# KiCad board soldiercrab_panel.kicad_pcb (continued)
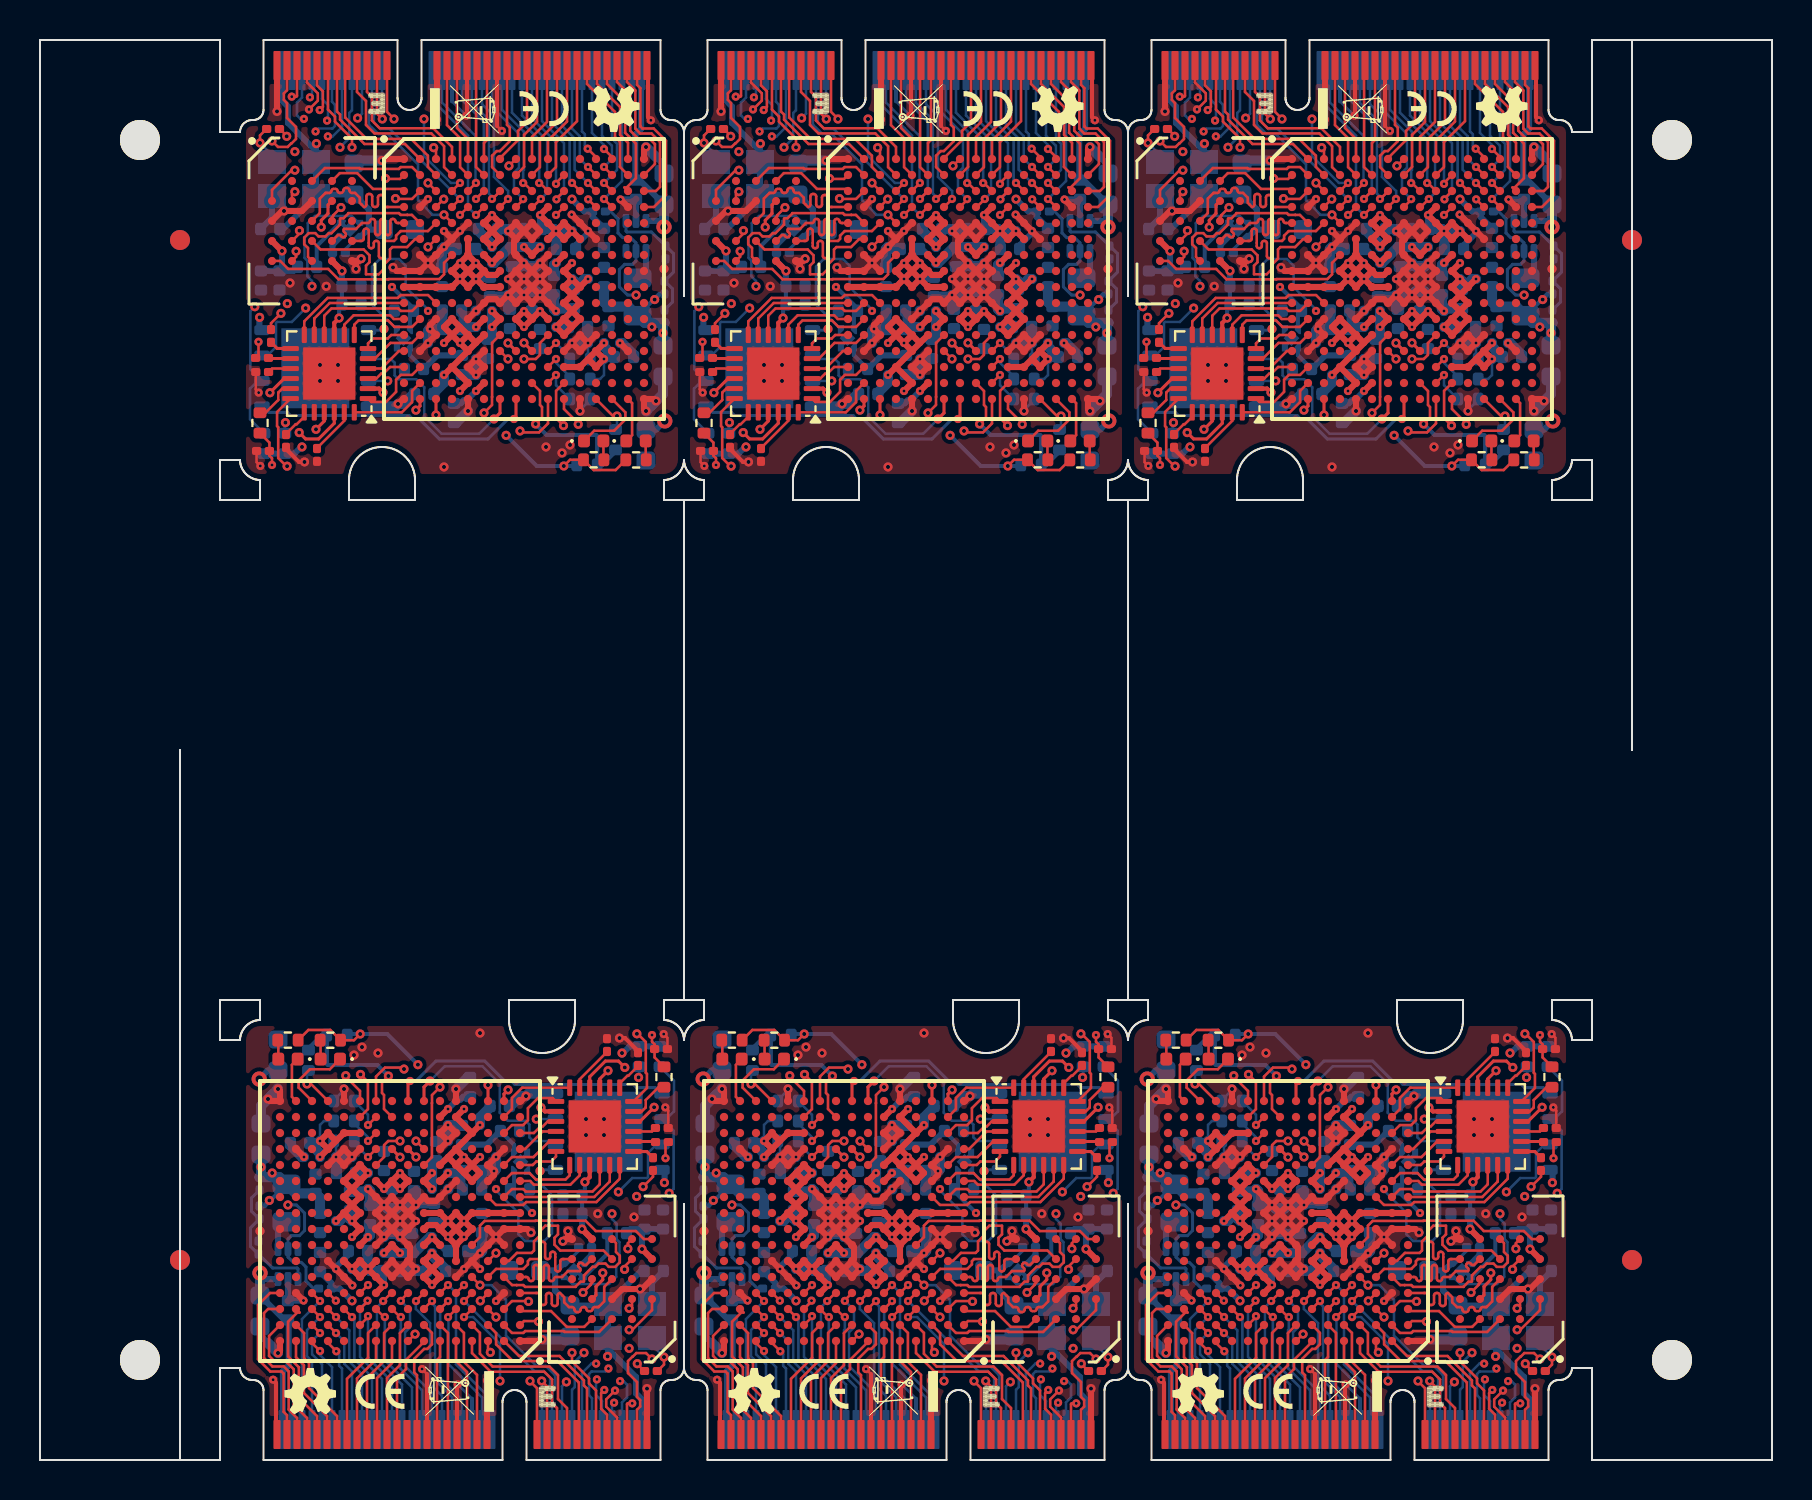
[diagram p0: board, top side]
## Routing (per net, layer and track width the routed paths; a pad name or vN(x,y) marks a point on that pad's centre or on a via; arc(x,y) is an arc through that point) (continued)
Board_3-ECP5_C5: length 6.9
  Top w0.127: v1(20.4,7.15) 20.8,7.54 IC1#5.C5 20.8,7.54
  Bottom w0.127: J1#6.34 22.1,3.12 21.05,4.18 21.05,4.18 20.43,4.8 20.43,7.12 v1(20.4,7.15)
Board_3-ECP5_C6: length 7.6
  Top w0.127: IC1#5.C6 20.01,7.55 20.4,7.94 v1(20.4,7.95) 20.4,7.95 20.41,7.95
  Bottom w0.127: 20.41,7.95 20.01,7.55 20.01,4.1 21.1,3.01 J1#6.38
Board_3-ECP5_C7: length 7.5
  Top w0.127: 19.54,7.9 19.2,7.57 IC1#5.C7
  Bottom w0.127: 19.54,7.9 19.49,7.95 v1(19.6,7.95) 19.6,7.84 19.75,7.68 19.75,3.99 20.6,3.15 J1#6.40
Board_3-ECP5_C9: length 6.7
  Top w0.127: v1(18.04,7.15) 18,7.15 IC1#5.C9
  Bottom w0.127: J1#6.46 19.1,3.49 18,4.59 18,6.49 18.04,6.54 v1(18.04,7.15)
Board_3-ECP5_C10: length 6.8
  Top w0.127: IC1#5.C10 17.2,7.15 v1(17.24,7.15)
  Bottom w0.127: J1#6.48 18.6,3.63 17.24,4.99 v1(17.24,7.15)
Board_3-ECP5_C11: length 7.6
  Top w0.127: v1(16.38,7.97) 16.38,7.93 IC1#5.C11
  Bottom w0.127: v1(16.38,7.97) 16,7.59 16,5.15 17.1,4.05 J1#6.54
Board_3-ECP5_C12: length 6.6
  Top w0.127: v1(15.6,7.15) 15.2,7.55 IC1#5.C12
  Bottom w0.127: v1(15.6,7.15) 15.72,7.03 15.72,5.03 16.6,4.15 J1#6.56
Board_3-ECP5_C13: length 6.7
  Top w0.127: IC1#5.C13 v1(14.8,7.15)
  Bottom w0.127: v1(14.8,7.15) 15.47,6.48 15.47,4.92 16.1,4.29 J1#6.58
Board_3-ECP5_C14: length 6.6
  Top w0.127: IC1#5.C14 14,7.15 v1(14,7.15)
  Bottom w0.127: v1(14,7.15) 13.35,6.5 13.35,5.18 13.6,4.93 J1#6.68
Board_3-ECP5_C15: length 7.2
  Top w0.127: IC1#5.C15 12.98,7.38 12.87,7.38 12.4,6.91 12.4,5.18 12.94,4.64 12.94,3.11 13.85,2.2 J1#6.67
Board_3-ECP5_C16: length 8
  Top w0.127: IC1#5.C16 11.4,7.55 11.2,7.35 11.2,5.1 11.62,4.68 12.19,4.68 12.43,4.43 12.43,2.52 12.85,2.1 J1#6.71
Board_3-ECP5_D4: length 9.3
  Top w0.127: IC1#5.D4 21.27,8.02 v1(21.2,7.95) 21.27,8
  Bottom w0.127: J1#6.22 25.1,3.35 25.5,3.75 25.5,4.12 25.18,4.45 24.71,4.45 21.21,7.95 v1(21.2,7.95)
Board_3-ECP5_D5: length 16.4
  Top w0.127: v1(21.2,8.75) 20.8,8.35 IC1#5.D5 20.8,8.36
  In1.Cu w0.127: v1(21.2,8.75) 21.6,8.35 21.6,5.45 22.08,4.96 22.69,4.96 22.86,5.13 26.24,5.13 26.43,4.95 27.37,4.95 28.03,5.6 28.55,5.6 29.4,4.75 29.4,3.56 v1(28.7,2.87)
  Bottom w0.127: v1(28.7,2.87) 28.6,2.76 J1#6.8
Board_3-ECP5_D6: length 8.7
  Top w0.127: IC1#5.D6 20.01,8.35 20.4,8.74 v1(20.4,8.75) 20.4,8.75 20.41,8.75
  Bottom w0.127: J1#6.32 22.6,2.98 21.15,4.43 21.15,4.43 20.8,4.78 20.8,8.36 20.41,8.75
Board_3-ECP5_D7: length 7.6
  Top w0.127: IC1#5.D7 19.19,8.35 18.8,7.96 v1(18.8,7.95) 18.79,7.95 18.79,7.95
  Bottom w0.127: J1#6.42 20.1,3.21 19.5,3.81 19.5,6.85 18.79,7.55 18.79,7.95
Board_3-ECP5_D8: length 7.8
  Top w0.127: v1(18.04,7.95) 18.04,7.99 IC1#5.D8
  Bottom w0.127: v1(18.04,7.95) 18.5,7.5 18.5,6.64 18.25,6.39 18.25,4.7 19.6,3.35 J1#6.44
Board_3-ECP5_D9: length 7.7
  Top w0.127: IC1#5.D9 17.56,8.35 v1(17.16,7.95)
  Bottom w0.127: J1#6.50 18.1,3.77 16.85,5.03 16.85,7.64 v1(17.16,7.95)
Board_3-ECP5_D11: length 19.1
  Top w0.127: IC1#5.D11 16,8.35 v1(16.4,8.75)
  In2.Cu w0.127: v1(28.42,4.57) 28.27,4.43 27.64,4.43 27.38,4.69 19.99,4.69 18.81,5.88 18.58,5.88 17.65,6.81 17.65,8.02 17.32,8.34 16.8,8.34 v1(16.4,8.75)
  Bottom w0.127: v1(28.42,4.57) 28.27,4.43 27.58,4.43 27.45,4.3 27.45,3.24 27.6,3.09 J1#6.12
Board_3-ECP5_D13: length 20.5
  Top w0.127: IC1#5.D13 14.41,8.35 v1(14.79,7.97) ; IC1#5.D13 14.4,8.35 ; IC1#5.D13 14.44,8.35
  In1.Cu w0.127: v1(27.81,4.82) 27.67,4.68 22.01,4.68 19.2,7.48 19.2,8.24 18.3,9.15 15.48,9.15 14.79,8.46 v1(14.79,7.97)
  Bottom w0.127: v1(27.81,4.82) 27.57,4.82 27.1,4.35 27.1,1.53 J1#6.14
Board_3-ECP5_D14: length 7.4
  Top w0.127: IC1#5.D14 v1(14,7.95)
  Bottom w0.127: J1#6.70 13.1,3.05 13.1,3.05 13.1,7.05 v1(14,7.95)
Board_3-ECP5_D16: length 8.8
  Top w0.127: IC1#5.D16 11.5,8.35 10.9,7.75 10.9,5.04 11.52,4.42 12.08,4.42 12.18,4.32 12.18,2.41 12.35,2.24 J1#6.73
Board_3-ECP5_E4: length 10
  Top w0.127: IC1#5.E4 21.6,9.14 v2(22,8.74)
  Bottom w0.127: J1#6.20 25.6,3.45 25.76,3.6 25.76,4.23 25.28,4.7 24.82,4.7 23.3,6.22 23.3,8.01 22.57,8.74 v2(22,8.74)
Board_3-ECP5_M10_TDO: length 20.8
  Top w0.127: v2(18,15.95) 17.41,15.95 17.2,15.75 17.2,15.15 IC1#5.M10 ; J1#6.23 24.85,3.59 24.5,3.94 v2(24.5,3.95)
  In4.Cu w0.127: v2(18,15.95) 18.5,16.45 19,16.45 23.5,11.95 23.5,4.95 v2(24.5,3.95)
Board_3-ECP5_R11_TDI: length 27.6
  Top w0.127: v2(16.02,19.28) 16.4,18.91 16.4,17.55 IC1#5.R11
  In4.Cu w0.127: v2(26.32,3.9) 26.32,4.13 25.02,5.43 24.43,5.43 24.01,5.85 24.01,14.4 23.5,14.9 23.5,16.45 22,17.95 17.36,17.95 v2(16.02,19.28)
  Bottom w0.127: v2(26.32,3.9) 26.1,3.69 J1#6.18
Board_3-ECP5_T10_TCK: length 28.3
  Top w0.127: v2(18.2,19.55) 18.13,19.62 17.25,19.62 16.8,19.17 IC1#5.T10
  In4.Cu w0.127: v1(27.85,4.03) 27.34,4.03 25.52,5.85 25.52,6.2 25.27,6.45 24.5,6.45 24.3,6.65 24.3,7.21 24.85,7.76 24.85,8.1 24.26,8.69 24.26,10.49 25,11.22 25,12.51 24.26,13.25 24.26,14.5 23.75,15.01 23.75,16.56 20.94,19.37 19.33,19.37 19.3,19.35 18.4,19.35 v2(18.2,19.55)
  Bottom w0.127: J1#6.10 28.1,2.95 27.8,3.25 27.8,3.98 v1(27.85,4.03)
Board_3-ECP5_T11_TMS: length 26.7
  Top w0.127: IC1#5.T11 16,18.45 15.29,19.16 v2(15.29,19.22) ; v2(25.08,3.95) 25.35,3.68 J1#6.21
  In4.Cu w0.127: v2(15.29,19.22) 15.29,19.16 16.76,17.69 19.69,17.69 20.24,17.15 22.45,17.15 23.25,16.34 23.25,14.73 23.75,14.23 23.75,5.28 24.67,4.37 24.67,4.37 25.08,3.96 v2(25.08,3.95)
Board_3-EN: length 45.1
  In2.Cu w0.127: v2(28.6,12.32) 27.97,12.95 23.4,12.95 v1(22.8,13.55)
  In2.Cu w0.152: v2(12.4,12.75) 12.4,14.92 14.63,17.16 18.2,17.16 19,17.96 21.59,17.96 23.21,16.34 23.21,13.96 v1(22.8,13.55)
  Bottom w0.127: U2#2.3 25.6,13.23 25.6,11.34 25.21,10.95 24.26,10.95 23.92,11.29 23.92,12.36 22.8,13.48 v1(22.8,13.55) ; U4#4.3 26.62,8.8 28.45,8.8 28.81,9.16 28.81,9.7 28.97,9.87 28.97,10.89 28.83,11.03 28.83,11.81 28.6,12.05 v2(28.6,12.32)
  Bottom w0.152: v2(12.4,12.75) 12.82,12.75 13.23,12.35 13.23,11.47 12.97,11.22 12.57,11.22 12.4,11.05 U1#5.5 12.4,10.15 12.67,9.88 13.07,9.88 13.3,9.65 13.3,8.95 13.68,8.57 R1#4.1
Board_3-GND: length 114.2
  Top w0.127: v1(28.75,3.47) 28.31,3.03 28.31,2.67 28.85,2.13 J1#6.7 ; v1(20.88,3.78) 20.85,3.75 ; C37#3.2 31.37,21.11 v1(31.18,21.3) ; 11.8,1.33 J1#6.75 ; v1(31.27,17.63) 31.41,17.48 C36.2 ; v1(11.66,4.01) 11.8,3.87 ; 19.35,4.3 v1(19.1,4.55)
  Top w0.203: v2(28.98,21.1) 29.25,21.1 29.82,20.52 29.82,20.37 ; 20.85,3.75 J1#6.39 ; 11.8,3.87 11.8,1.33 ; J1#6.45 19.35,4.3
  Top w0.305: IC1#5.F13 v1(14.8,9.55) IC1#5.E12 15.62,8.73 v1(15.62,8.73) ; v1(18,12.75) IC1#5.J8 ; v1(18,12.75) IC1#5.K8 v1(18.8,12.75) ; v1(18,12.75) IC1#5.J9 ; v1(18,12.75) IC1#5.K9 v1(17.2,12.75) ; IC1#5.J8 v1(18,11.95) ; IC1#5.J8 v1(18.8,12.75) ; IC1#5.J8 v1(18.8,11.95) IC1#5.H8 ; v1(15.6,15.15) IC1#5.N12 v1(14.8,15.15) ; v1(15.6,15.15) IC1#5.N11 ; v1(15.6,15.15) IC1#5.M12 v1(14.8,15.15) ; IC1#5.D15 13.18,7.98 v1(13.18,7.97) ; IC1#5.G2 v1(22.8,11.15) ; v1(22.8,11.15) IC1#5.H3 ; v1(22.8,11.15) IC1#5.H2 IC1#5.H1 24.37,11.55 v2(24.55,11.37) ; v1(22.8,11.15) IC1#5.G3 v1(22,10.35) IC1#5.F4 ; IC1#5.N6 v1(20.4,15.95) ; v1(20.4,15.95) IC1#5.P5 v1(20.4,16.75) IC1#5.P6 v1(20.4,15.95) ; IC1#5.T12 v2(15.2,18.55) ; v1(18.8,12.75) IC1#5.K7 19.4,12.95 19.8,12.95 IC1#5.K6 v1(20.4,13.55) IC1#5.L5 ; IC1#5.H8 v1(18,11.15) ; IC1#5.H8 v1(18,11.95) ; IC1#5.N2 v1(22.8,15.15) IC1#5.M3 v1(22.7,14.45) 22.7,14.25 IC1#5.L3 ; IC1#5.T5 v2(20.8,18.55) ; IC1#5.F8 18.5,10.05 18.5,10.65 IC1#5.G8 v1(18,11.15) ; IC1#5.F8 IC1#5.E9 17.2,9.55 IC1#5.F9 IC1#5.E8 v1(18.8,9.55) IC1#5.F8 ; IC1#5.E5 v1(21.2,9.55) IC1#5.F4 ; IC1#5.A1 25.02,5.95 v2(25.1,6.03) ; IC1#5.N15 v1(13.2,15.15) ; IC1#5.D2 v1(22.8,7.95) ; IC1#5.G10 v1(17.2,11.15) ; v1(17.2,11.15) IC1#5.H10 v1(17.2,11.95) ; v1(17.2,11.15) IC1#5.H9 ; IC1#5.F4 v1(22,9.55) ; v2(30.35,3.57) J1#6.1 ; v1(14.8,15.15) IC1#5.M13 ; v1(17.2,12.75) IC1#5.K10 v1(16.4,13.55) ; v1(17.2,12.75) IC1#5.J10 v1(17.2,11.95) ; v1(17.2,12.75) IC1#5.J9 ; v2(26.15,10.94) 26.26,11.05 U10#3.E5 26.4,11.25 v2(26.4,11.45) ; v1(18,11.15) IC1#5.H9 ; v1(18,11.95) IC1#5.H9 ; v1(18,11.95) IC1#5.J9 ; IC1#5.H9 v1(17.2,11.95) ; IC1#5.J9 v1(17.2,11.95) ; U10#3.C1 30.1,8.55 v2(30,8.55) 29.1,8.55 U10#3.B3 ; IC1#5.T1 24.05,17.95 v2(24.3,18.2) ; v2(11.9,18.55) 12,18.45 IC1#5.T16 11.5,17.95 v2(11.4,18.05) ; IC1#5.A16 12,5.45 v2(11.9,5.35) ; J1#6.33 v1(22.35,3.97)
  In2.Cu w0.127: v2(28.98,21.1) 29.31,20.77 30.82,20.77 31.18,21.13 v1(31.18,21.3)
  Bottom w0.127: U2#2.2 24.03,15.01 U2#2.2 ; v2(15.2,18.55) 15.2,18.5 14.69,18 R14#3.2 ; 22.84,14.91 22.8,14.95 ; v1(14.8,15.15) 14.8,15.84 R12#2.2 ; R3#3.2 10.93,11.37 v2(11,11.45) ; v1(20.88,3.78) 21.6,3.07
  Bottom w0.203: 21.6,3.07 J1#6.36 ; C65#4.2 28.36,10.31 27.2,9.15 U4#4.2 26.81,9.47 U4#4.2
  Bottom w0.305: C2#3.2 11,6.25 11.4,5.85 ; C10#4.2 30.6,8.88 Y1#4.2 30,8.4 v2(30,8.55) ; U1#5.2 12.4,7.97 v1(13.18,7.97) ; C79#2.2 15.42,10.27 14.8,9.65 v1(14.8,9.55) 14.8,9.55 v1(15.62,8.73)
  Bottom w0.508: v2(11.4,18.05) 11.63,18.28 ; 11.63,18.28 11.05,17.7 C3#4.2 ; 11.63,18.28 v2(11.9,18.55) 11.88,18.58 ; C24#3.2 16.5,13.45 v1(16.4,13.55) 16.28,13.43 C16#3.2 ; v1(22.8,15.15) 22.8,14.55 v1(22.7,14.45) C33#2.2 C12#2.2 ; C83.2 22.1,10.45 v1(22,10.35) 21.9,10.45 C15#5.2 ; v1(15.6,15.15) v1(14.8,15.15) 14.82,15.13 C8.2 ; 20.42,13.53 v1(20.4,13.55) ; C22.2 21.08,16.75 v1(20.4,16.75) v1(20.4,15.95) 19.82,15.95 C26.2 ; 25.9,18.32 24.42,18.32 v2(24.3,18.2) 24.03,18.2 23.48,17.65 ; C9#5.2 18.18,11.33 v1(18,11.15) 17.82,11.33 C13#6.2 17.38,11.33 v1(17.2,11.15) ; v1(18.8,12.75) v1(18,12.75) 17.82,12.57 C17#3.2 17.38,12.57 v1(17.2,12.75) 16.78,12.75 ; v1(18.8,12.75) 18.88,12.83 C19#4.2 ; v1(18.8,12.75) 18.8,13.47 ; v2(20.8,18.55) 21.38,19.13 C81.2 ; C4#5.2 26.35,6.03 v2(25.1,6.03) ; C80.2 12.52,15.73 13.1,15.15 v1(13.2,15.15) ; C14#2.2 18.7,9.45 v1(18.8,9.55) 18.9,9.45 C18.2 ; v2(11.9,5.35) 11.4,5.85
  vias: v2(15.7,20.25) v2(16.1,20.65) v2(16.9,20.35) v2(22,21.35) v2(27.3,17.05) v2(27.3,16.25) v2(27.89,12.32) v2(28.2,17.05) v2(28.2,16.25) v2(29.7,12.15)
Board_3-Net-(D1-A): length 1
  Top w0.127: R11#6.1 11.92,20.97 D1#4.2
Board_3-Net-(D1-K): length 2.3
  Top w0.127: D1#4.1 12.6,19.76 12.6,18.15 IC1#5.T15
Board_3-Net-(D2-A): length 1
  Top w0.127: D2#5.2 14.03,20.97 R15#6.1
Board_3-Net-(D2-K): length 3.8
  Top w0.127: IC1#5.T14 12.93,18.62 12.93,18.97 13.49,19.54 14.49,19.54 D2#5.1
Board_3-Net-(U1-FB): length 6.7
  Bottom w0.152: U1#5.1 12.9,9.55 12.85,9.6 11.63,9.6 R3#3.1 10.9,10.3 10.52,10.68 10.52,11.6 C25#3.1 10.95,12.06 10.57,12.44 10.57,13.1 R2.1
Board_3-Net-(U1-SW): length 1.5
  Bottom w0.305: U1#5.4 11.9,11.48 L1#4.1
Board_3-Net-(U3-DM): length 1.1
  Top w0.152: 30.78,15.93 29.68,15.93 U3#4.14
Board_3-Net-(U3-DP): length 1.1
  Top w0.152: U3#4.13 29.68,15.42 30.35,15.42 R10#5.2
Board_3-Net-(U3-RBIAS): length 1.5
  Top w0.127: 29.82,19.73 29.82,19.62 29.41,19.21 29.36,19.21 28.99,18.83 U3#4.19
Board_3-Net-(U3-VBUS): length 2.2
  Top w0.127: R8#6.1 30.93,18.64 30.29,18 30.29,17.63 30.09,17.43 U3#4.17
Board_3-Net-(Y1-OUT): length 2.1
  Top w0.127: v2(31.2,5.15) 31.2,4.77 30.87,4.44
  Bottom w0.127: v2(31.2,5.15) 30.6,5.75 Y1#4.3
Board_3-USB0_DM: length 16.8
  Top w0.127: J1#6.5 29.35,2.8 29.38,2.83 v1(29.61,2.83) ; v1(31.28,15.09) 31.28,15.75 31.42,15.9 31.42,15.93
  In2.Cu w0.127: v1(31.28,15.09) 30.7,14.51 30.7,13.48 31.19,12.99 31.19,5.94 31.18,5.93 31.18,5.76 31.62,5.32 31.62,4.97 30.89,4.25 30.3,4.25 29.61,3.56 v1(29.61,2.83)
Board_3-USB0_DP: length 15.7
  Top w0.127: 30.75,14.48 R10#5.1 30.65,14.16 v2(30.15,13.67) ; J1#6.3 29.85,2.51 30.01,2.67 30.01,3 29.85,3.15 29.85,3.9 29.4,4.35 29.4,4.95 29.62,5.16 29.63,5.16 29.81,5.35 30.3,5.35 v2(30.6,5.05)
  In2.Cu w0.127: v2(30.6,5.05) 30.6,5.71 30.93,6.05 30.93,12.89 v2(30.15,13.67)
Board_3-USB0_ID: length 28.8
  Top w0.127: v2(29.84,21.31) 29.88,21.31 30.29,20.9 30.29,19.36 30.35,19.3 30.35,18.6 U3#4.18
  In4.Cu w0.127: v2(29.84,21.31) 29.94,21.31 30.53,20.72 30.53,18.06 30.29,17.81 30.29,15.69 30.8,15.17 30.8,11.48 31.64,10.65 31.64,6.38 31.25,6 27.83,6 v2(27.2,5.37)
  Bottom w0.127: J1#6.16 26.6,3.51 26.74,3.65 26.74,4.9 v2(27.2,5.37)
Board_3-USB0_VBUS: length 24.5
  Top w0.127: v1(28.21,3.5) 28.06,3.35 28.06,2.56 28.35,2.27 J1#6.9 ; v1(30.6,21.25) 30.6,20.91 30.73,20.78 30.73,20.13 R8#6.2
  In1.Cu w0.127: v1(30.6,21.25) 30.6,20.8 30.3,20.5 30.3,19.71 30.6,19.41 30.6,18.85 30.29,18.54 30.29,14.77 29.66,14.15 29.66,13.35 v2(29.83,13.18)
  In2.Cu w0.127: v2(29.46,5.58) 30.11,5.58 30.68,6.15 30.68,12.33 v2(29.83,13.18)
  In4.Cu w0.127: v1(28.21,3.5) 28.52,3.81 28.52,4.02 29.46,4.96 v2(29.46,5.58)
Board_3-VCCRAM: length 38.3
  Top w0.152: U10#3.B4 27.8,8.25 27.8,8.68 28.14,9.02 v2(28.14,9.36)
  Top w0.203: v2(25.05,17.62) 25.24,17.43 U3#4.2 ; U3#4.9 27.49,14.14 v2(27.25,13.9)
  Top w0.305: IC1#5.P4 v1(22,16.75) ; IC1#5.P4 IC1#5.R5 v1(21.2,17.55) ; IC1#5.P4 IC1#5.N5 ; 20.4,11.95 IC1#5.J5 21.2,11.95 ; 20.4,11.95 IC1#5.H5 ; 20.4,11.95 v1(20.4,11.95) ; U10#3.E4 v2(27.1,11.55) ; IC1#5.G5 21.2,11.15 v1(21.2,11.15) 21.2,11.15 ; IC1#5.G5 20.4,11.15 v1(20.4,11.15) 20.4,11.15 ; IC1#5.G5 IC1#5.F5 ; IC1#5.J7 IC1#5.J6 20,12.35 v1(20.4,11.95) ; IC1#5.H6 20.4,11.15 ; IC1#5.H6 20.4,11.95 v1(20.4,11.95) ; IC1#5.H6 19.8,11.75 19.4,11.75 IC1#5.H7 ; 20.4,11.15 IC1#5.H5 ; IC1#5.M5 20.4,15.15 ; IC1#5.M5 21.2,14.35 ; IC1#5.M5 v1(21.2,15.15) ; 20.4,15.15 IC1#5.N5 ; 20.4,15.15 IC1#5.M6 ; IC1#5.H5 21.2,11.95 v1(21.2,11.95) 21.2,11.95 ; IC1#5.H5 21.2,11.15 ; IC1#5.J1 IC1#5.J2 IC1#5.J3 IC1#5.J4 21.2,11.95 ; IC1#5.N5 v1(21.2,15.15) ; IC1#5.M4 22,14.35 IC1#5.L4 21.2,14.35 ; IC1#5.M4 v1(21.2,15.15) ; IC1#5.M4 v1(22,15.15) ; IC1#5.M4 21.2,14.35 ; 21.2,11.15 IC1#5.H4 21.2,11.95 ; U10#3.D1 v2(30.1,10.55)
  Bottom w0.203: C32#2.1 C5#3.1 27.25,13.37 v2(27.25,13.9)
  Bottom w0.305: C65#4.1 29.52,11.54 C31.1 ; 27.16,9.82 27.58,10.24 R16#2.1 27.58,11.07 v2(27.1,11.55) 27.11,11.55 C32#2.1 27.13,12.27 ; C31.1 30.1,11.42 v2(30.1,10.55) ; C31.1 31.15,11.54 31.1,11.49 ; C83.1 21.72,12.33 21.7,12.35 21.6,12.35 v1(21.2,11.95) ; v1(20.4,11.95) 19.78,11.95 C19#4.1
  Bottom w0.508: v1(22,16.75) 22,17.13 22.52,17.65
Board_4-+1V1: length 19.4
  Top w0.305: v1(40.2,10.35) IC1#6.G9 v1(39.4,10.35) ; IC1#6.L10 v1(39.4,13.55) IC1#6.L9 ; IC1#6.L9 v1(40.2,14.35) IC1#6.L8 v1(40.2,13.55) IC1#6.L9 ; IC1#6.G7 v1(41.8,11.15) IC1#6.G6
  Bottom w0.203: v2(33.67,12.98) 33.39,12.7 C25.2 33.44,12.7 L1#2.2 34.37,13.78 v2(33.81,14.35)
  Bottom w0.305: v1(41.8,11.15) 42.5,10.45 C15#4.1 ; v3(33.16,19.05) 33.59,19.47 C1#3.1
  Bottom w0.508: 33.25,15.28 v2(33.25,14.65) 33.25,14.22 R2#2.2 34.17,14.14 L1#2.2 34.98,13.33 35.98,13.33 36.2,13.1 36.2,12.33 ; v1(39.4,10.35) 39.78,10.35 C13#2.1 39.82,10.35 v1(40.2,10.35) 40.78,10.35 C9.1 40.92,10.37 41.7,11.15 v1(41.8,11.15)
Board_4-+2V5: length 16.9
  Top w0.305: v1(41.8,14.35) IC1#6.L7 v1(41.8,13.55) ; IC1#6.G11 v1(38.6,11.15)
  In3.Cu w0.305: v1(41.8,14.35) 41.8,11.84 41.32,11.35 41.32,10.78 40.4,9.87 39.2,9.87 38.6,10.46 v1(38.6,11.15)
  Bottom w0.203: 45.22,16.45 45.9,15.76 U2#6.1
  Bottom w0.305: C26#6.1 42.43,14.97 43.23,15.77 C22#2.1 44.54,15.77 45.22,16.45
  Bottom w0.508: C26#6.1 41.8,14.77 v1(41.8,14.35) v1(41.8,13.55) ; C24.1 38.7,11.25 v1(38.6,11.15)
Board_4-+3V3: length 82.7
  Top w0.127: v2(38.21,21.3) 37.9,20.99 R15#3.2 36.72,21.5 35.62,21.5 R11.2
  Top w0.152: v2(52.91,17.64) 52.2,16.93 U3#3.16
  Top w0.305: IC1#6.D10 v1(39.4,8.75) IC1#6.E10 v1(38.6,9.55) ; IC1#6.L11 IC1#6.K12 IC1#6.J11 v1(37.8,11.95) ; IC1#6.L11 v1(38.6,14.35) IC1#6.M11 37.8,14.35 ; IC1#6.L11 37.8,14.35 ; IC1#6.N13 37,15.95 ; IC1#6.N13 v1(36.2,15.95) IC1#6.P13 37,15.95 ; IC1#6.N13 v1(36.2,15.15) ; 37,15.95 IC1#6.P12 IC1#6.P11 ; IC1#6.F12 v1(37.8,9.55) ; v1(37.8,9.55) IC1#6.E11 v1(38.6,9.55) ; v1(37.8,9.55) IC1#6.F11 v1(38.6,9.55) ; v1(37.8,11.15) IC1#6.H11 v1(37.8,11.95) ; 37.8,14.35 IC1#6.L12 IC1#6.K11 IC1#6.J12 ; v1(38.6,9.55) IC1#6.F10 ; IC1#6.J12 v1(37,11.95) ; IC1#6.J12 v1(37.8,11.95) ; IC1#6.R6 v1(42.6,17.55) ; 41.5,10.05 v1(41.8,10.35) IC1#6.F6 IC1#6.E7 v1(41.8,8.75) IC1#6.E6 41.5,9.85 41.5,10.05 ; 41.5,10.05 IC1#6.F7 ; IC1#6.L6 v1(42.6,14.35)
  Bottom w0.127: R13#4.2 36.4,16.95 36.2,16.75 v1(36.2,15.95)
  Bottom w0.152: R16#3.2 49.14,10.46 U4#2.4
  Bottom w0.203: R6#3.1 37.61,21.3 v2(38.21,21.3) 39.56,21.3 v2(41.09,19.77) ; v1(46.8,12.35) 45.72,13.43 45.72,13.53 45.9,13.72 U2#6.4
  Bottom w0.305: 43.4,14.53 C33#6.1 C12#5.1 ; 52.3,9.56 C10.1 52.25,9.45 Y1#3.1 ; Y1#3.1 50.53,7.72 48.7,7.72 47.96,8.47 47.96,9.42 ; Y1#3.1 Y1#3.4 ; Y1#3.1 50.6,7.83 ; v2(50.58,5.18) 50.6,5.2 Y1#3.4 ; v2(53.42,13.87) 53.43,13.88 53.43,14.51 ; v2(51.3,20.35) 51.35,20.35 51.68,20.68 R110.1 R109#3.1 ; C23#3.1 47.9,9.48 47.96,9.42 ; v3(33.2,9.35) 33.5,9.05 U1#2.3 ; Y1#3.4 50.6,5.57 ; Y1#3.4 50.6,5.55 52,4.15 52,3.33 52.3,3.03 J1#5.2 ; C18#3.1 42.48,9.43 v1(41.8,8.75) ; 48.44,9.82 48.36,9.82 47.96,9.42 ; C35#2.1 36.77,8.85 R1.2 37.19,8.57 v2(37.8,7.96) ; v1(42.6,17.55) 43.07,18.02 43.22,18.02 43.37,18.17 C81#6.1 ; 33.2,8.22 34.63,6.79 34.63,4.73 34.34,4.44 34.34,1.57 J1#5.74 ; v1(39.4,8.75) 39.4,9.37 C14#5.1
  Bottom w0.508: C14#5.1 38.7,9.45 v1(38.6,9.55) ; C8#5.1 v1(38.6,14.35) ; v1(38.6,9.55) 38.58,9.57 C79.1 ; v1(38.6,9.55) v1(37.8,9.55) ; C18#3.1 42.48,9.54 41.8,10.22 v1(41.8,10.35) ; v1(36.2,15.15) 36.2,15.33 C80#6.1 36.1,15.85 v1(36.2,15.95) ; 33.2,8.45 v3(33.2,9.35) ; v1(42.6,14.35) 43.22,14.35 C33#6.1 ; v1(37.8,11.95) 37.7,12.05 C16#2.1 37.18,11.95 v1(37,11.95)
Board_4-/bank0_1/CLOCK_48MHZ: length 13.4
  Top w0.127: v2(40.95,6.29) 40.61,5.95 IC1#6.A8 ; v2(52.06,4.82) 52.06,4.8 52.43,4.44
  In2.Cu w0.127: v2(40.95,6.29) 42.3,4.95 49.57,4.95 50.31,5.69 50.67,5.69 50.92,5.44 50.92,5.43 51.18,5.16 51.72,5.16 v2(52.06,4.82)
Board_4-/bank2_3/~{FPGA_SELF_PROGRAM}: length 2.1
  Top w0.127: IC1#6.T13 35.75,18.8 v2(35.55,18.8) 35.55,18.85
  Bottom w0.127: 35.55,19.49 v2(35.55,18.8)
Board_4-/bank6_7/RAM.CK: length 12.5
  Top w0.127: v2(51.66,7.58) 51.8,7.73 U10.B2 ; IC1#6.C3 44.6,7.55 v2(45,7.15)
  In2.Cu w0.127: v2(51.66,7.58) 51.66,7.1 51,6.45 48.93,6.45 48.79,6.31 arc(48.62,6.24) 48.45,6.31 48.38,6.38 arc(48.21,6.45) 48.04,6.38 47.96,6.3 arc(47.89,6.13) 47.96,5.96 48.03,5.89 arc(48.1,5.72) 48.03,5.55 47.1,5.55 arc(46.87,5.64) 46.78,5.87 46.78,6.23 arc(46.69,6.45) 46.46,6.55 46.3,6.55 arc(46.07,6.45) 45.98,6.23 45.98,5.87 arc(45.89,5.64) 45.66,5.55 44.8,6.41 44.8,6.95 v2(45,7.15)
Board_4-/bank6_7/RAM.DQ0: length 8
  Top w0.127: IC1#6.F2 45.64,9.95 46.05,10.35 46.78,10.35 46.9,10.47 46.9,10.93 47.17,11.2 47.17,11.42 47.47,11.71 48.1,11.71 48.1,11.28 47.93,11.11 47.93,10.76 48.22,10.47 50.38,10.47 U10.D3
Board_4-/bank6_7/RAM.DQ1: length 7.2
  Top w0.127: v2(51.43,9.53) 51.43,9.68 U10.D2 ; v2(47.13,6.92) 47.1,6.95 46.4,6.95 IC1#6.B1
  In2.Cu w0.127: v2(51.43,9.53) 51.43,9.28 49.08,6.92 v2(47.13,6.92)
Board_4-/bank6_7/RAM.DQ2: length 6.8
  Top w0.127: IC1#6.C2 45.8,7.95 46.61,7.95 v2(46.63,7.93) ; U10.C4 49.8,8.85 49.73,8.79 49.73,8.76 v2(49.35,8.38)
  In2.Cu w0.127: v2(49.35,8.38) 49.23,8.5 48.7,8.5 arc(48.56,8.44) 48.51,8.31 48.51,7.76 arc(48.45,7.62) 48.32,7.57 48.22,7.57 arc(48.08,7.62) 48.03,7.76 48.03,8.31 arc(47.97,8.44) 47.84,8.5 47.19,8.5 v2(46.63,7.93)
Board_4-/bank6_7/RAM.DQ3: length 7.5
  Top w0.127: U10.D4 49.52,9.77 arc(49.45,9.74) 49.38,9.77 49.31,9.84 arc(49.24,9.87) 49.17,9.84 49.13,9.8 arc(49.1,9.73) 49.13,9.66 49.2,9.59 arc(49.23,9.52) 49.2,9.45 48.6,9.45 48.3,9.15 48,9.15 arc(47.93,9.12) 47.9,9.05 arc(47.87,8.98) 47.8,8.95 47.75,8.95 arc(47.68,8.98) 47.65,9.05 47.65,9.65 arc(47.62,9.72) 47.54,9.75 47.49,9.75 arc(47.42,9.72) 47.39,9.65 47.39,9.05 arc(47.36,8.98) 47.29,8.95 47.24,8.95 arc(47.17,8.98) 47.14,9.05 47.14,9.65 arc(47.11,9.72) 47.04,9.75 46.99,9.75 arc(46.91,9.72) 46.88,9.65 46.88,9.05 arc(46.85,8.98) 46.78,8.95 46.73,8.95 arc(46.66,8.98) 46.63,9.05 arc(46.6,9.12) 46.53,9.15 IC1#6.E1
Board_4-/bank6_7/RAM.DQ4: length 7.9
  Top w0.127: IC1#6.E3 45,9.55 46.36,9.55 46.6,9.79 46.6,9.94 46.7,10.05 47.1,10.05 arc(47.17,10.08) 47.2,10.15 47.2,10.81 arc(47.23,10.88) 47.3,10.91 47.35,10.91 arc(47.43,10.88) 47.46,10.81 47.46,10.15 arc(47.49,10.08) 47.56,10.05 47.61,10.05 arc(47.68,10.08) 47.71,10.15 47.71,10.31 arc(47.74,10.38) 47.81,10.41 47.86,10.41 arc(47.93,10.38) 47.96,10.31 47.96,9.54 arc(47.99,9.47) 48.07,9.44 48.12,9.44 arc(48.19,9.47) 48.22,9.54 48.22,9.95 arc(48.25,10.02) 48.32,10.05 U10.D5
Board_4-/bank6_7/RAM.DQ5: length 8.1
  Top w0.127: IC1#6.E2 45.8,8.75 46.03,8.75 46.04,8.75 46.36,8.75 46.45,8.66 48.98,8.66 48.98,8.67 49.23,8.92 49.37,8.92 49.4,8.95 49.4,9.23 49.83,9.66 49.96,9.66 50.13,9.82 50.47,9.82 50.64,9.66 50.96,9.66 51.19,9.89 51.19,10.21 51,10.4 51,10.85 U10.E3
Board_4-/bank6_7/RAM.DQ6: length 7.8
  Top w0.127: U10.E2 51.59,10.84 v2(51.59,10.56) ; IC1#6.F3 44.6,9.95 v2(45,10.35)
  In2.Cu w0.127: v2(45,10.35) 51.38,10.35 v2(51.59,10.56)
Board_4-/bank6_7/RAM.DQ7: length 10.2
  Top w0.127: U10.E1 52.39,11.05 51.99,11.45 49.99,11.45 49.47,11.97 46.98,11.97 46.96,11.95 44.44,11.95 44.2,11.71 44.2,11.15 IC1#6.G4
Board_4-/bank6_7/RAM.RWDS: length 8.7
  Top w0.127: IC1#6.D1 47.1,8.35 arc(47.18,8.32) 47.21,8.23 47.21,7.87 arc(47.25,7.78) 47.33,7.75 47.39,7.75 arc(47.47,7.78) 47.5,7.87 47.5,8.23 arc(47.54,8.32) 47.62,8.35 47.68,8.35 arc(47.76,8.32) 47.79,8.23 47.79,7.82 arc(47.83,7.73) 47.91,7.7 47.97,7.7 arc(48.05,7.73) 48.08,7.82 48.08,8.23 arc(48.12,8.32) 48.2,8.35 48.41,8.14 48.41,7.89 48.65,7.65 48.8,7.65 arc(48.89,7.61) 48.92,7.52 48.92,7.52 arc(48.96,7.43) 49.05,7.4 49.11,7.4 arc(49.2,7.43) 49.23,7.52 49.23,7.52 arc(49.27,7.61) 49.36,7.65 49.42,7.65 arc(49.49,7.62) 49.52,7.55 arc(49.55,7.48) 49.62,7.45 49.73,7.45 arc(49.8,7.48) 49.83,7.55 arc(49.86,7.62) 49.93,7.65 50.13,7.65 50.41,7.93 50.41,8.66 U10.C3
Board_4-/bank6_7/RAM.~{CK}: length 12.5
  Top w0.127: IC1#6.D3 44.6,8.34 v2(44.21,7.96) ; v2(51.66,6.51) 51.82,6.51 52.8,7.49 U10.B1
  In2.Cu w0.127: v2(51.66,6.51) 51.34,6.19 49.05,6.19 48.64,5.79 48.63,5.79 48.13,5.29 45.55,5.29 44.5,6.35 44.5,7.67 v2(44.21,7.96)
Board_4-/bank6_7/RAM.~{CS}: length 5.9
  Top w0.127: IC1#6.B2 45.8,6.35 46.36,6.35 46.46,6.45 48.39,6.45 48.44,6.4 50.16,6.4 U10.A3
Board_4-/bank6_7/RAM.~{RESET}: length 4.1
  Top w0.127: IC1#6.C1 46.3,7.45 47.75,7.45 48.54,6.66 49.41,6.66 U10.A4
Board_4-/bank6_7/USB0.DATA0: length 2.2
  Top w0.127: IC1#6.N1 46.45,15.55 47.33,16.43 U3#3.4
Board_4-/bank6_7/USB0.DATA1: length 3.1
  Top w0.127: U3#3.5 47.66,15.93 46.88,15.15 45.8,15.15 IC1#6.M2
Board_4-/bank6_7/USB0.DATA2: length 2.2
  Top w0.127: IC1#6.M1 46.84,14.75 47.01,14.92 47.75,14.92 48,15.17 U3#3.6
Board_4-/bank6_7/USB0.DATA3: length 4.2
  Top w0.127: U3#3.7 48.69,14.23 48.48,14.02 47,14.02 46.67,14.35 45.8,14.35 IC1#6.L2
Board_4-/bank6_7/USB0.DATA4: length 3.8
  Top w0.127: U3#3.8 49.19,14.23 48.72,13.77 46.89,13.77 46.71,13.95 IC1#6.L1
Board_4-/bank6_7/USB0.DATA5: length 6.1
  Top w0.127: U3#3.10 50.19,13.78 49.83,13.42 46.49,13.42 46.36,13.55 45.8,13.55 IC1#6.K2
Board_4-/bank6_7/USB0.DATA6: length 5.6
  Top w0.127: U3#3.11 50.69,13.92 49.91,13.15 IC1#6.K1
Board_4-/bank6_7/USB0.DATA7: length 8
  Top w0.127: U3#3.12 51.19,14.07 50.02,12.9 46.51,12.9 46.36,12.75 45,12.75 IC1#6.K3
Board_4-/bank6_7/USB0.DIR: length 3.7
  Top w0.127: IC1#6.P2 45.8,16.75 46.36,16.75 46.6,16.99 46.6,17.59 47.1,18.1 47.83,18.1 U3#3.1
Board_4-/bank6_7/USB0.NXT: length 2
  Top w0.127: U3#3.3 47.59,16.93 47.34,16.68 47.23,16.68 46.89,16.35 IC1#6.P1
Board_4-/bank6_7/USB0.REFCLK: length 8.1
  Top w0.152: v2(50.6,19.47) 50.19,19.05 U3#3.21 ; v2(44.6,18.75) IC1#6.T3
  In2.Cu w0.152: v2(44.6,18.75) 44.9,19.05 50.18,19.05 v2(50.6,19.47)
Board_4-/bank6_7/USB0.STP: length 4.2
  Top w0.127: U3#3.24 46.31,18.62 45.8,18.1 45.8,17.55 IC1#6.R2
Board_4-/bank6_7/USB0.~{RESET}: length 9.7
  Top w0.152: U3#3.22 49.69,19.16 50.47,19.95 51.12,19.95 v2(51.44,19.63) ; v2(45.6,18.51) 45.4,18.3 IC1#6.T2
  In2.Cu w0.152: v2(51.44,19.63) 50.46,18.65 45.75,18.65 v2(45.6,18.51)
Board_4-/bank8_configuration/D0: length 14.9
  Top w0.152: v1(40.7,18.95) 40.6,18.85 IC1#6.T8
  Bottom w0.152: 53.43,18.32 53.27,18.32 52.97,18.62 52.03,18.62 51.87,18.78 45.95,18.78 45.78,18.94 45.45,18.94 44.43,19.95 42,19.95 41,18.95 v1(40.7,18.95)
Board_4-/bank8_configuration/D1: length 10.7
  Top w0.152: IC1#6.T7 41.4,18.65 v2(41.7,18.95)
  Bottom w0.127: 48.1,15.78 47.93,15.95 46.86,15.95 46.67,16.13 46.67,16.77 46.48,16.96 45.59,16.96 45.19,17.36 45.19,18.82 44.32,19.68 42.43,19.68 v2(41.7,18.95)
Board_4-/bank8_configuration/D2: length 12.6
  Top w0.127: IC1#6.M7 41.8,15.15 41.8,17.84 41.8,17.85 41.8,18.25 v2(42.2,18.65)
  In1.Cu w0.127: v2(42.2,18.65) 42.72,19.17 46.42,19.17 47.22,18.37 47.22,18.24 46.68,17.7 46.68,17.38 v2(47.02,17.04)
  Bottom w0.127: 48.1,17.05 47.02,17.05 v2(47.02,17.04)
Board_4-/bank8_configuration/D3: length 26.2
  Top w0.127: v2(41,15.95) 41.4,15.55 IC1#6.N7
  In1.Cu w0.127: v2(41,15.95) 41.1,16.04 41.1,18.94 41.6,19.45 49.98,19.45 50.38,19.05 51.45,19.05 51.97,19.56 52.29,19.56 52.55,19.3 52.55,18.96 52.23,18.64 52.23,14.88 51.12,13.77 v2(51.12,13.4)
  Bottom w0.127: 53.43,15.78 53.03,15.78 52.6,15.35 52.6,14.15 52.55,14.1 51.81,14.1 v2(51.12,13.4)